# Altium PCB Pulse.PcbDoc
Units mil, origin at the board's own origin, x right, y up, seen from the top; angles counter-clockwise.
Board outline 1102.36 x 1181.1 mil, 4 copper layers (Top Layer 1, GND, PWR, Bottom Layer 1), stack 23.756 mil thick; 71 components, 58 nets, 314 pads, 74 vias.
Unrouted connection lines stored in the file: 2.
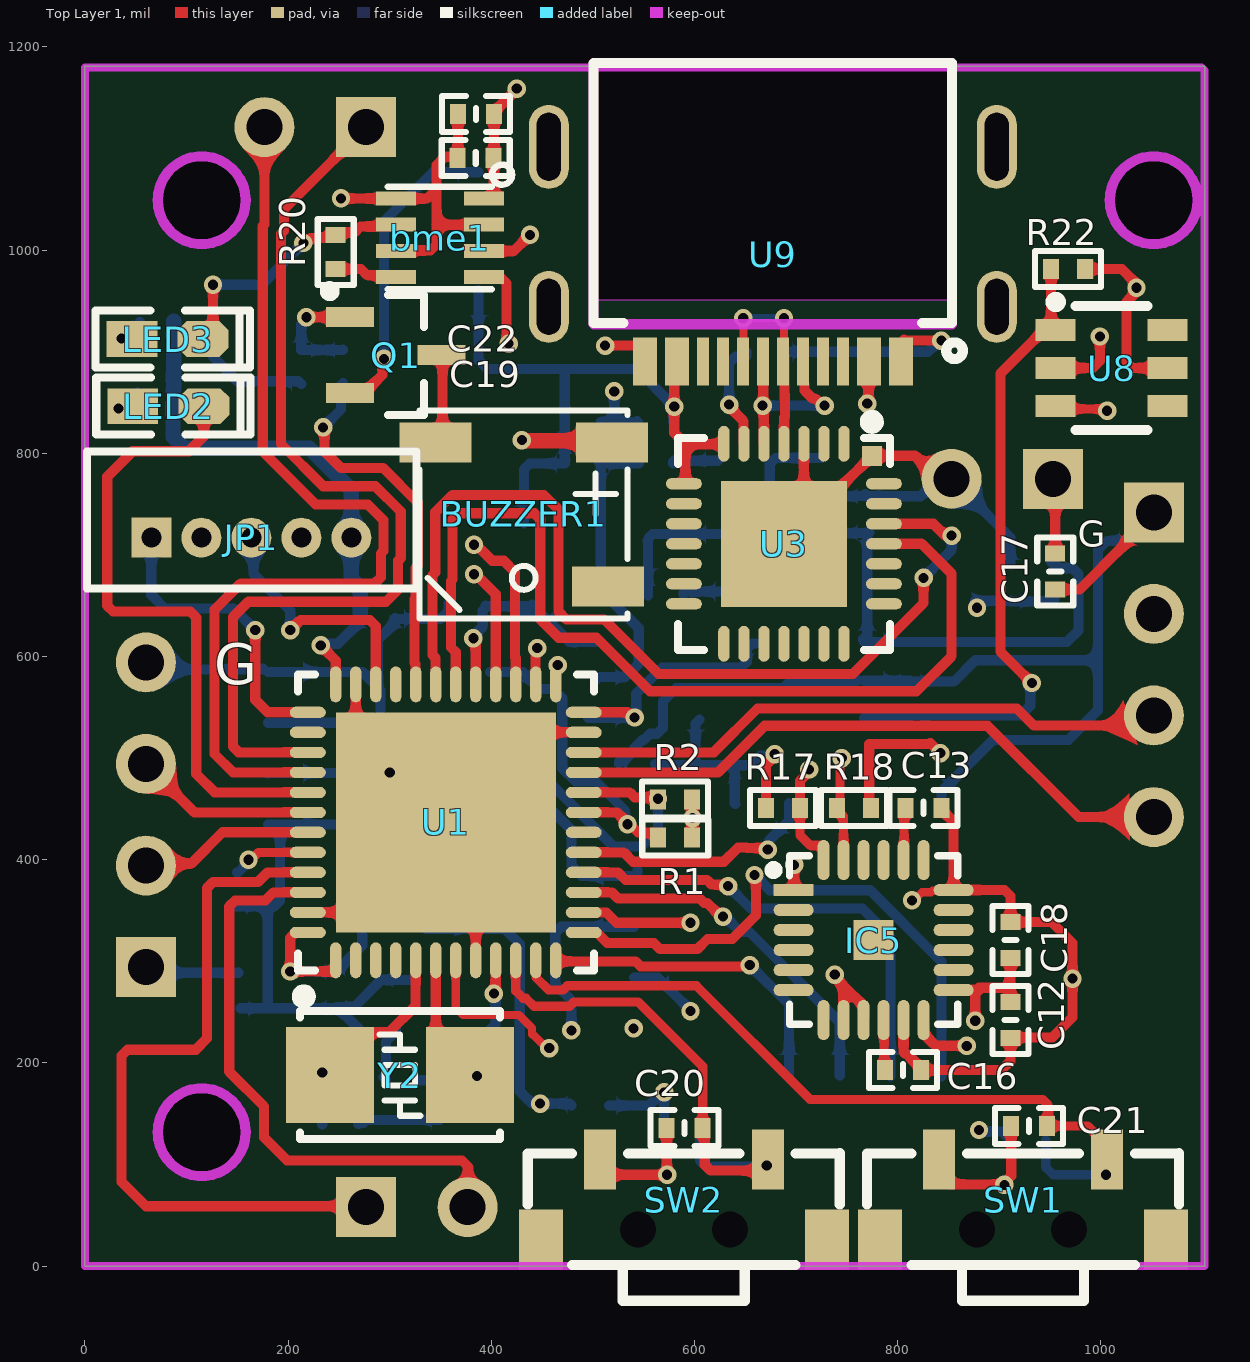
[diagram p0: Top Layer 1 view]
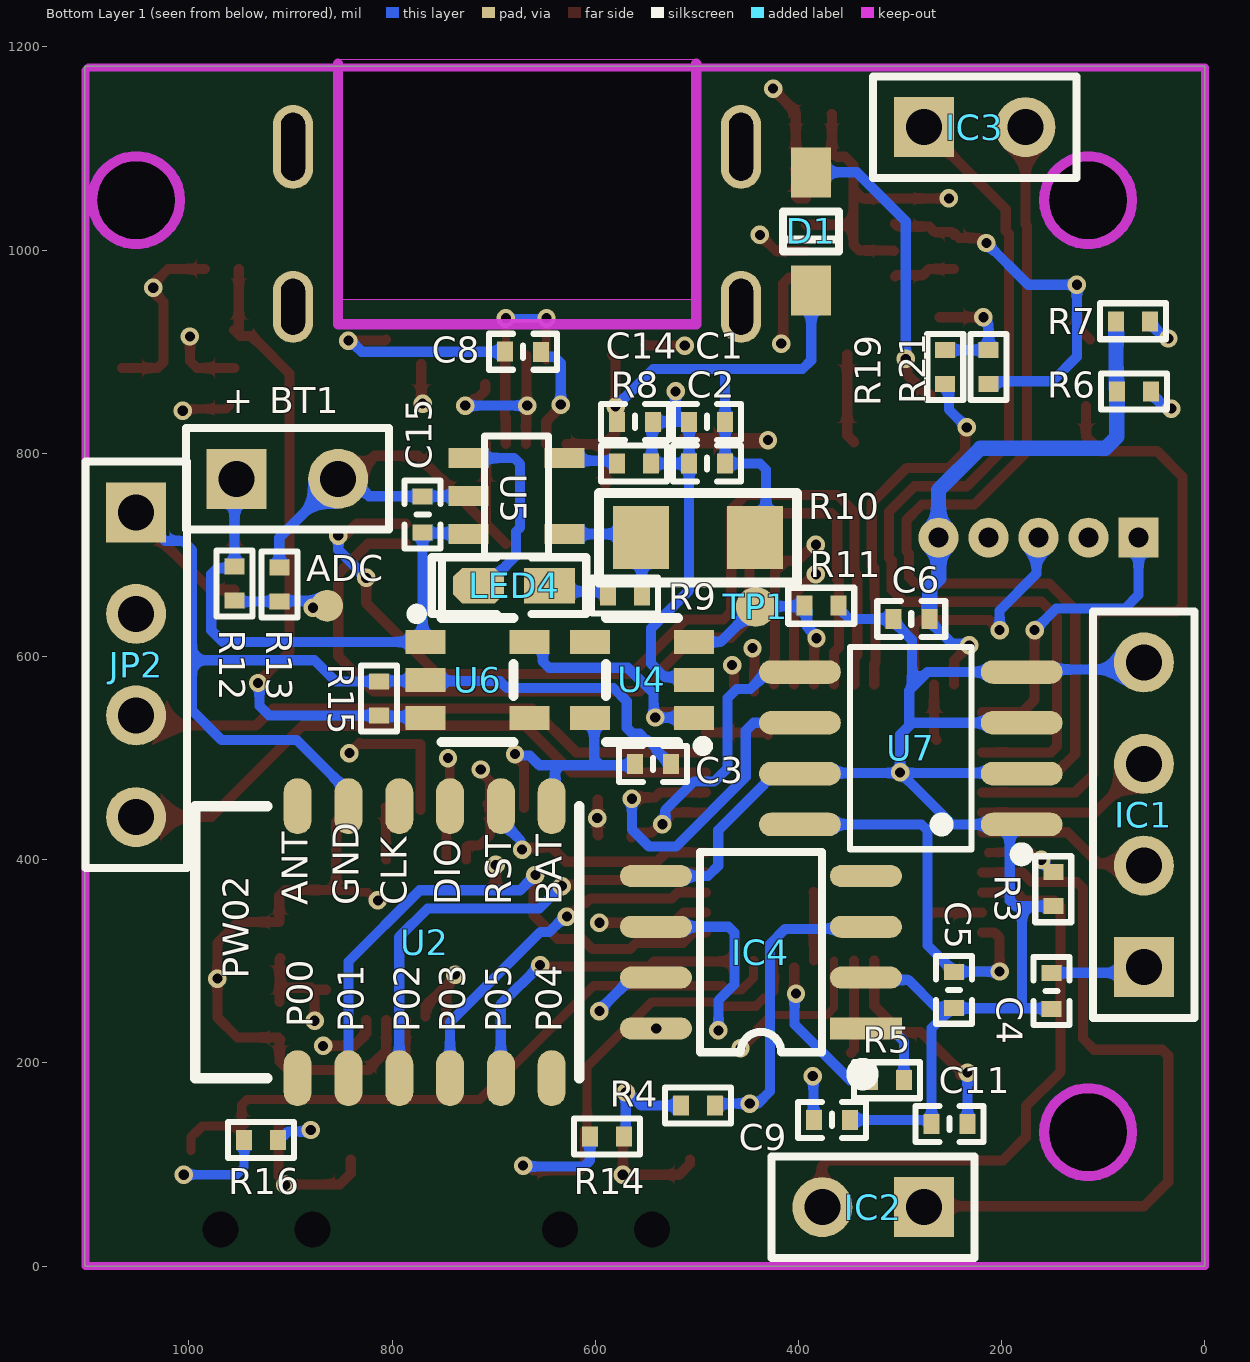
[diagram p1: Bottom Layer 1 view, seen from below]
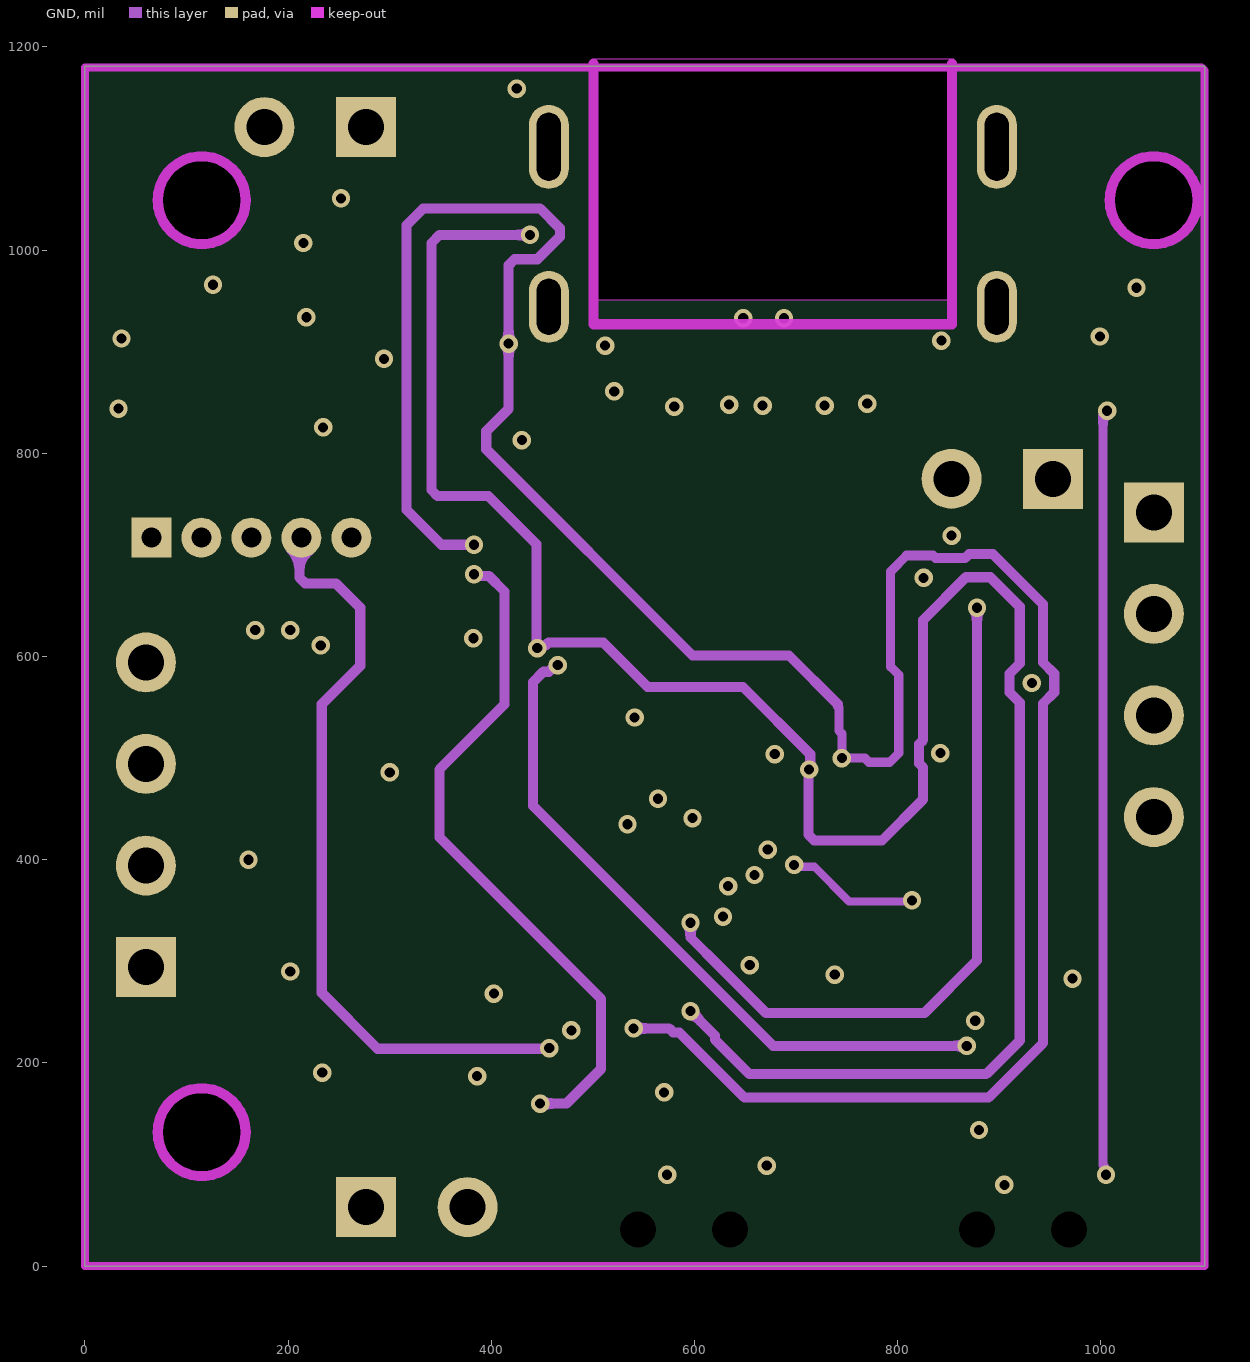
[diagram p2: GND]
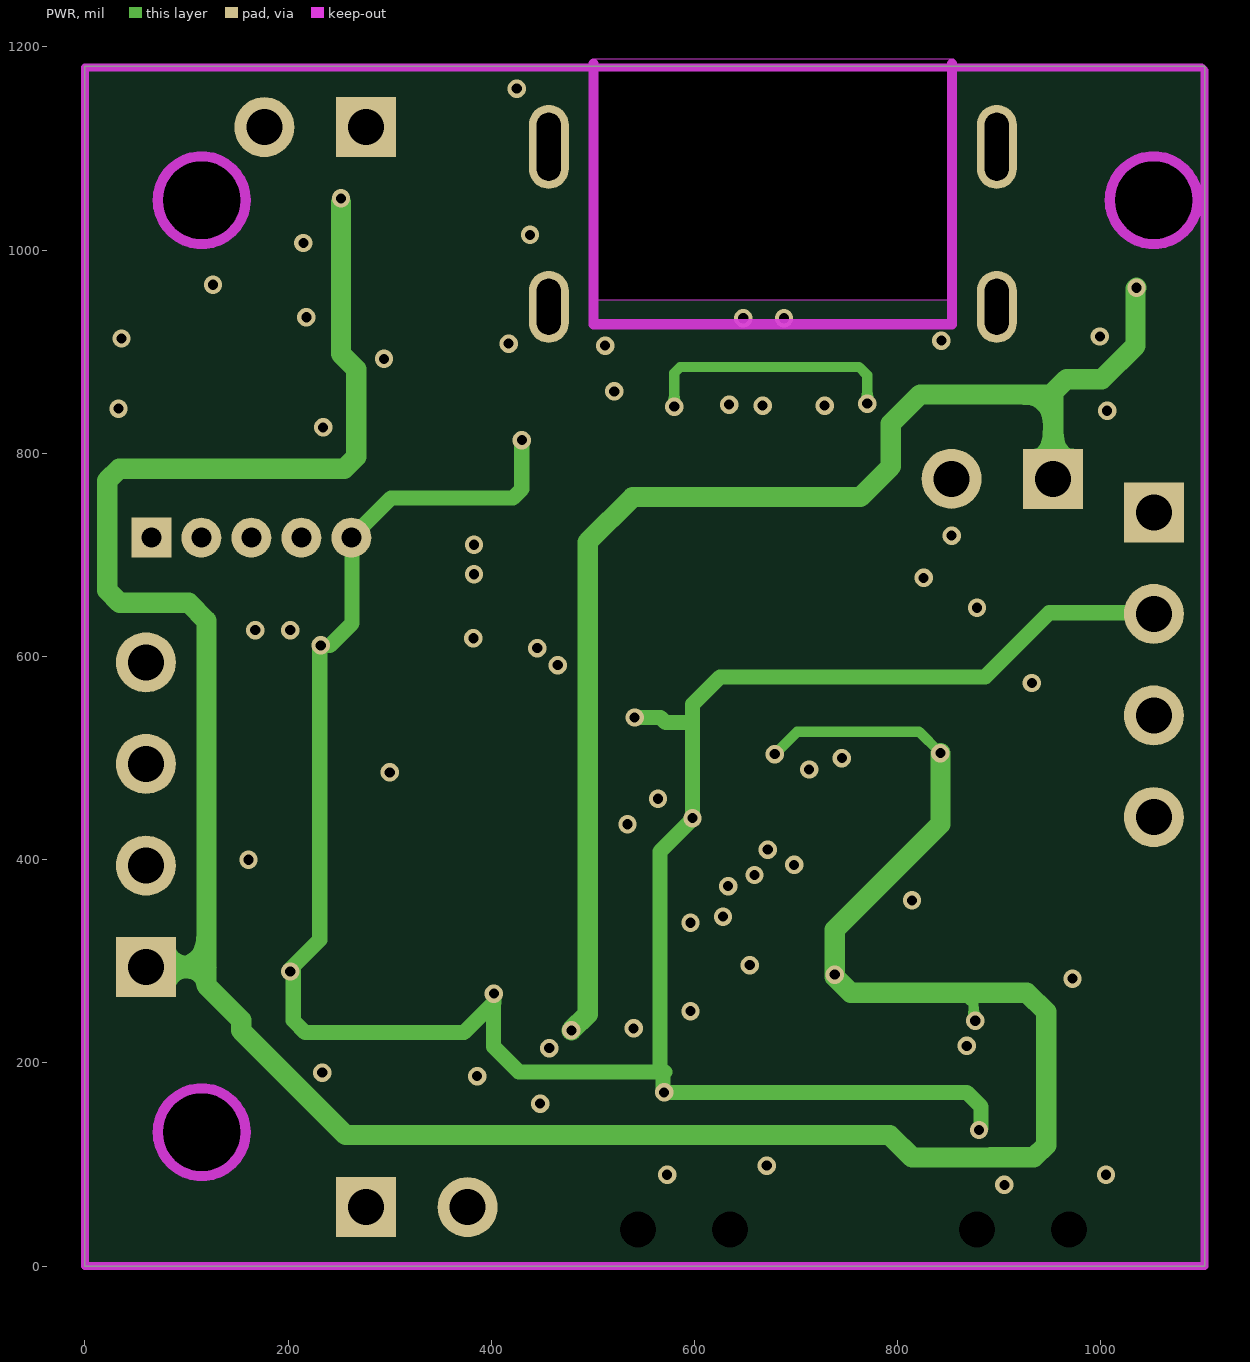
[diagram p3: PWR]
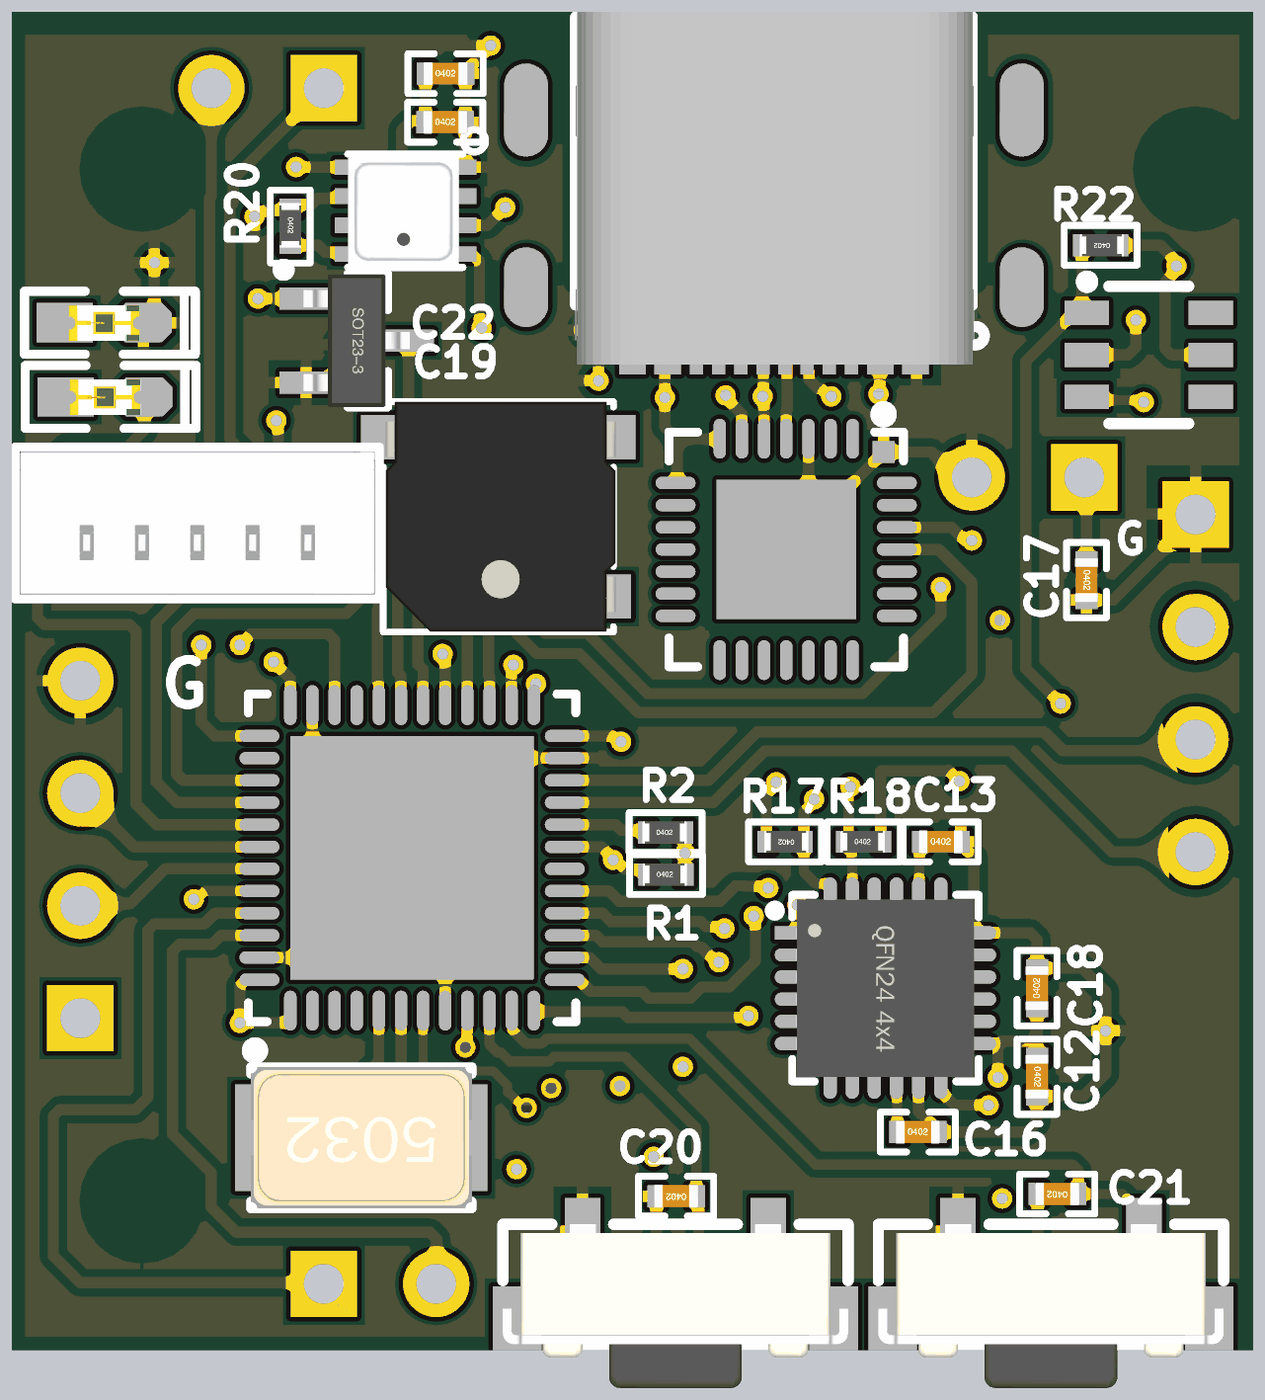
[diagram p4: 3D render of the assembled board from above, using the file's embedded part models]
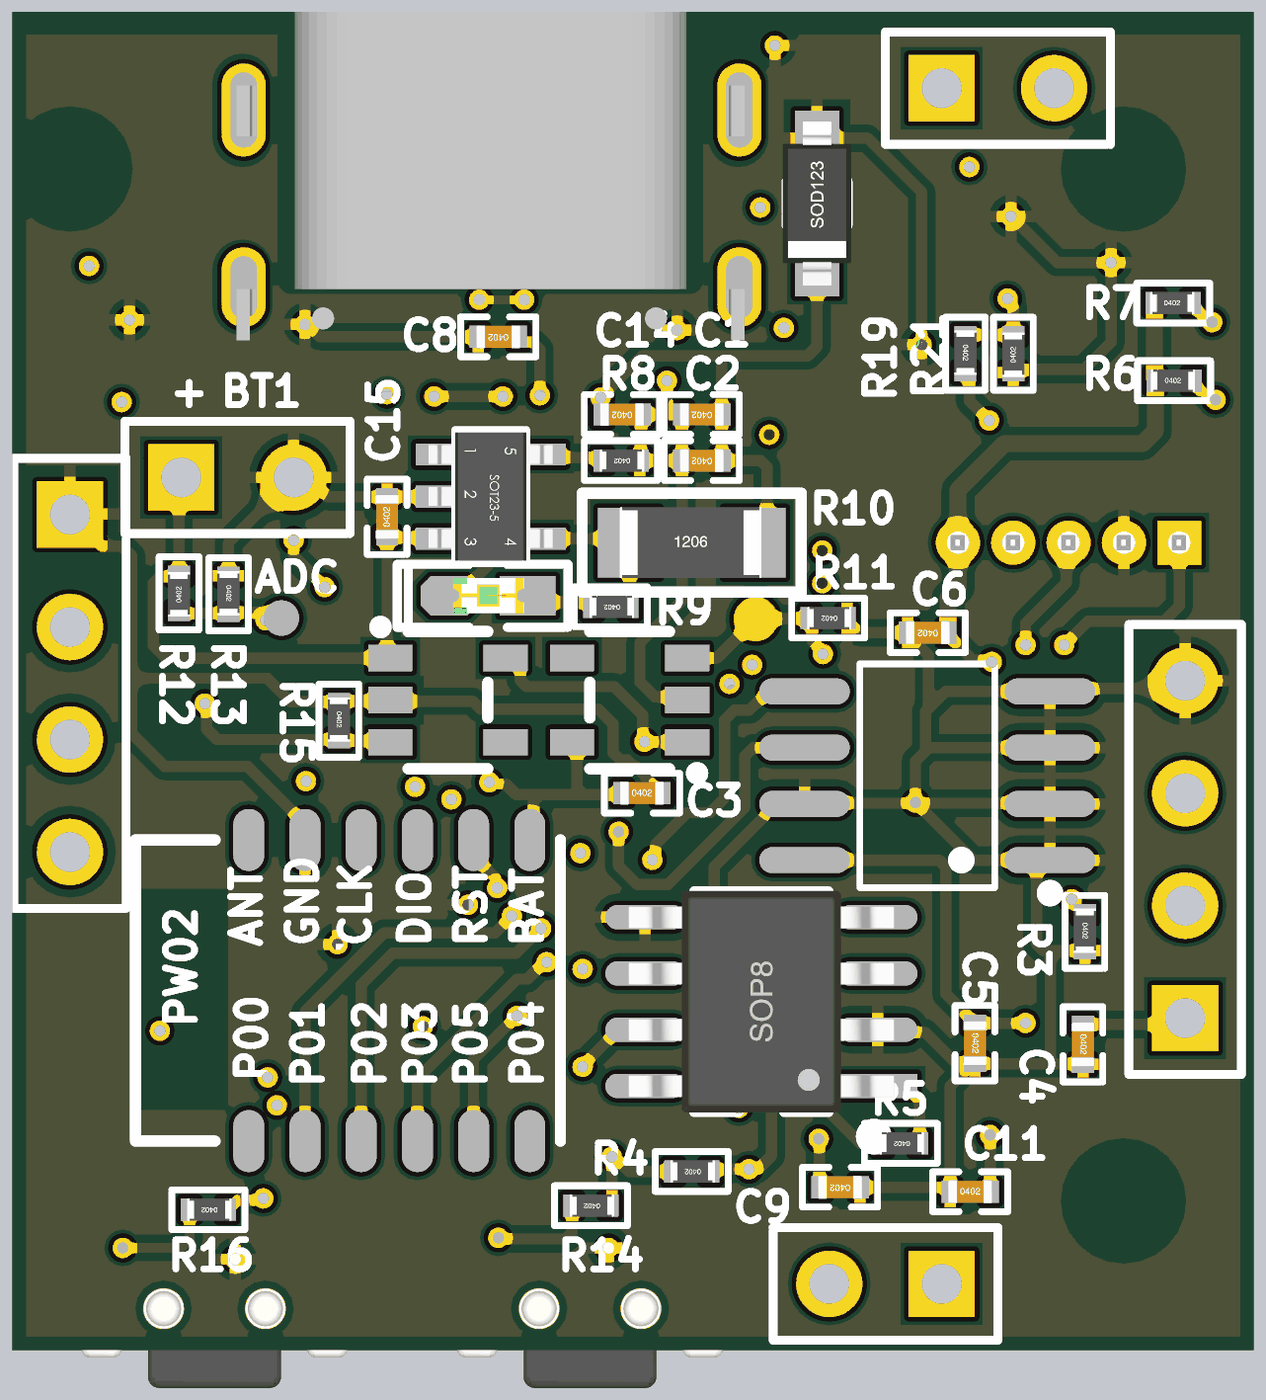
[diagram p5: 3D render of the assembled board from below, using the file's embedded part models]

## Layer stack, top to bottom
Top Solder: solder mask 0.4, Solder Resist, Dk 3.5
Top Layer 1: signal copper 1.378
Dielectric 2: prepreg 2.8, PP-006, Dk 4.1
GND: signal copper 1.4
Dielectric 1: dielectric 12.6, FR-4, Dk 4.8
PWR: signal copper 1.4
Dielectric 3: prepreg 2.8, PP-006, Dk 4.1
Bottom Layer 1: signal copper 1.378
Bottom Solder: solder mask 0.4, Solder Resist, Dk 3.5

## Board outline
0,0 0,1181.1 1102.36,1181.1 1102.36,0
cut-out: 1008.62,1049.16 ccw(c1051.93,1049.16) 1051.93,1005.85 ccw(c1051.93,1049.16) 1095.24,1049.16 ccw(c1051.93,1049.16) 1051.93,1092.47 ccw(c1051.93,1049.16)
cut-out: 114.92,1005.85 cw(c114.92,1049.16) 71.61,1049.16 cw(c114.92,1049.16) 114.92,1092.47 cw(c114.92,1049.16) 158.23,1049.16 cw(c114.92,1049.16)
cut-out: 71.61,131.84 ccw(c114.92,131.84) 114.92,88.53 ccw(c114.92,131.84) 158.23,131.84 ccw(c114.92,131.84) 114.92,175.15 ccw(c114.92,131.84)
cut-out: 499.93,951 854.93,951 854.93,1188 499.93,1188
cut-out: 499.93,951 854.93,951 854.93,1180 499.93,1180

## Design rules (kind name [scope] priority, off if disabled: settings)
Clearance [All] p1: gap=7 ignorepadtopadclearanceinfootprint=TRUE
ComponentClearance [All] p1: gap=0 collisioncheckmode=3 verticalgap=0 showdistances=FALSE
MinimumSolderMaskSliver [All] p1: minsoldermaskwidth=1
PolygonConnect [All] p1: connectstyle=Relief reliefconductorwidth=10 reliefentries=4 polygonreliefangle="90 Angle" airgapwidth=10
RoutingVias [All] p1: holewidth=15 width=20 viastyle="Through Hole" minholewidth=10 minwidth=10 maxholewidth=50 maxwidth=50
SilkToSilkClearance [All] p1: silktosilkclearance=0
SilkToSolderMaskClearance [IsPad] p1: minsilkscreentomaskgap=0 clearancetoexposedcopper=TRUE
SolderMaskExpansion [All] p1: expansion=4 istentingtop=FALSE
Width [All] p1: maxlimit=50 minlimit=5 preferedwidth=10 minimp=50.000000 maximp=50.000000 favimp=50.000000
26 further rules are at their usual default settings.

## Components (designator, comment, footprint, x,y, rotation, side; value= is the part's Value field where it differs from the comment)
ADC "TEST" "TEST 0.8" 863.93,650 r270 bottom
bme1 "BME280" BME280 304.24,960.09 r0 top
BT1 "Battery" BAT-2 903,775 r180 bottom locked
BUZZER1 "Beep-5020" 5020BUZZER 429.93,740 r90 top locked
C1 "100nF" "C 0402_L" 489.93,831 r0 bottom
C2 "10uF" "C 0402_L" 489.93,790 r0 bottom
C3 "100nF" "C 0402_L" 543.21,494.28 r180 bottom
C4 "100nF" "C 0402_L" 151,271 r270 bottom
C5 "100nF" "C 0402_L" 247,272 r270 bottom
C6 "100nF" "C 0402_L" 289,637 r0 bottom
C8 "100nF" "C 0402_L" 671,900 r0 bottom
C9 "22pF" "C 0402_L" 367,144 r0 bottom
C11 "22pF" "C 0402_L" 251.28,140 r180 bottom
C12 "222" "C 0402_L" 910.93,242.25 r270 top
C13 "222" "C 0402_L" 825.39,451.05 r0 top
C14 "1uF" "C 0402_L" 560.93,831 r0 bottom
C15 "10uF" "C 0402_L" 769.93,740 r90 bottom
C16 "104" "C 0402_L" 805,193 r0 top
C17 "104" "C 0402_L" 955,683.71 r270 top
C18 "104" "C 0402_L" 910.93,320.99 r90 top
C19 "104" "C 0402_L" 384.63,1090.8 r0 top
C20 "100nF" "C 0402_L" 590,136 r180 top
C21 "100nF" "C 0402_L" 929,138 r180 top
C22 "475" "C 0402_L" 384.93,1134 r0 top
D1 "TVS" LC-SOD-123 387.46,1018.54 r90 bottom
IC1 "Header 4" HDR1X4 60.05,294.28 r90 bottom locked
IC2 "Header 2" HDR1X2 276.59,58.05 r0 bottom locked
IC3 "Header 2" HDR1X2 276.59,1121.05 r180 bottom locked
IC4 "DS3231-8PIN" SOP8_N 437,309 r0 bottom
IC5 "MPU6050" "QFN24 4x4_M" 776.18,320.99 r270 top
JP1 "HDR-1X5" "MX 1.25-LI-5P" 164.11,717 r0 top
JP2 "HDR-1X4" HDR1X4 1052,742 r270 bottom locked
LED2 "红色" "LED 0603R" 82.05,846.27 r0 top
LED3 "红色" "LED 0603R" 81.28,912.28 r0 top
LED4 "红色" "LED 0603R" 679.93,670 r0 bottom
Q1 "SS8050" SOT23-3N 305.93,896.64 r270 top
R1 "4K7" "R 0402_L" 580,422 r0 top
R2 "4K7" "R 0402_L" 579.7,459.3 r0 top
R3 "10k" "R 0402_L" 149.21,371.98 r270 bottom
R4 "4K7" "R 0402_L" 498,158 r0 bottom
R5 "4K7" "R 0402_L" 312,183 r0 bottom
R6 "4K7" "R 0402_L" 70.93,861 r180 bottom
R7 "4K7" "R 0402_L" 71.61,930 r180 bottom
R8 "2K" "R 0402_L" 560.93,790 r0 bottom
R9 "330R" "R 0402_L" 569.93,660 r0 bottom
R10 "1" "R 1206_L" 499.93,717 r180 bottom
R11 "100K" "R 0402_L" 376.59,650 r0 bottom
R12 "100K" "R 0402_L" 955,671 r90 bottom
R13 "100K" "R 0402_L" 910.93,672 r270 bottom
R14 "10k" "R 0402_L" 587.64,127.57 r0 bottom
R15 "100K" "R 0402_L" 812.8,559.74 r270 bottom
R16 "10k" "R 0402_L" 927.93,124 r0 bottom
R17 "4K7" "R 0402_L" 687.93,451.05 r180 top
R18 "4K7" "R 0402_L" 755.93,451.05 r0 top
R19 "2K2" "R 0402_L" 255.58,886 r270 bottom
R20 "10K" "R 0402_L" 246.83,999.1 r270 top
R21 "240K" "R 0402_L" 212.93,884 r90 bottom
R22 "??" "R 0402_L" 968.67,981.39 r180 top
SW1 "3x6x5" button 924.93,46 r180 top locked
SW2 "3x6x5" button 590.93,46 r180 top locked
TP1 "TEST" "TEST 1" 442,649 r90 bottom
U1 "STM32F103CBU6" STMF103CBU6 356.5,433.35 r0 top locked
U2 "PW02" bluetooth 800.93,318 r180 bottom locked
U3 "" CP2102 681.78,711.98 r270 top locked
U4 "" RT9013-33GB 555.05,577.01 r180 bottom
U5 "TC4054" SOT23-5 724.93,795.4 r90 bottom
U6 "" RT9013-33GB 714.93,577.01 r0 bottom
U7 "" AT24C256 292.93,511 r90 bottom locked
U8 "" EC190708 1009.45,885 r270 top
U9 "" "TYPE-C CB1.6" 677,996 r180 top
Y2 "8MHz" "OSC 5032-2P" 310,188 r180 top
